# Altium PCB ESP32_Demo.PcbDoc (part 4 of 7) (continued)
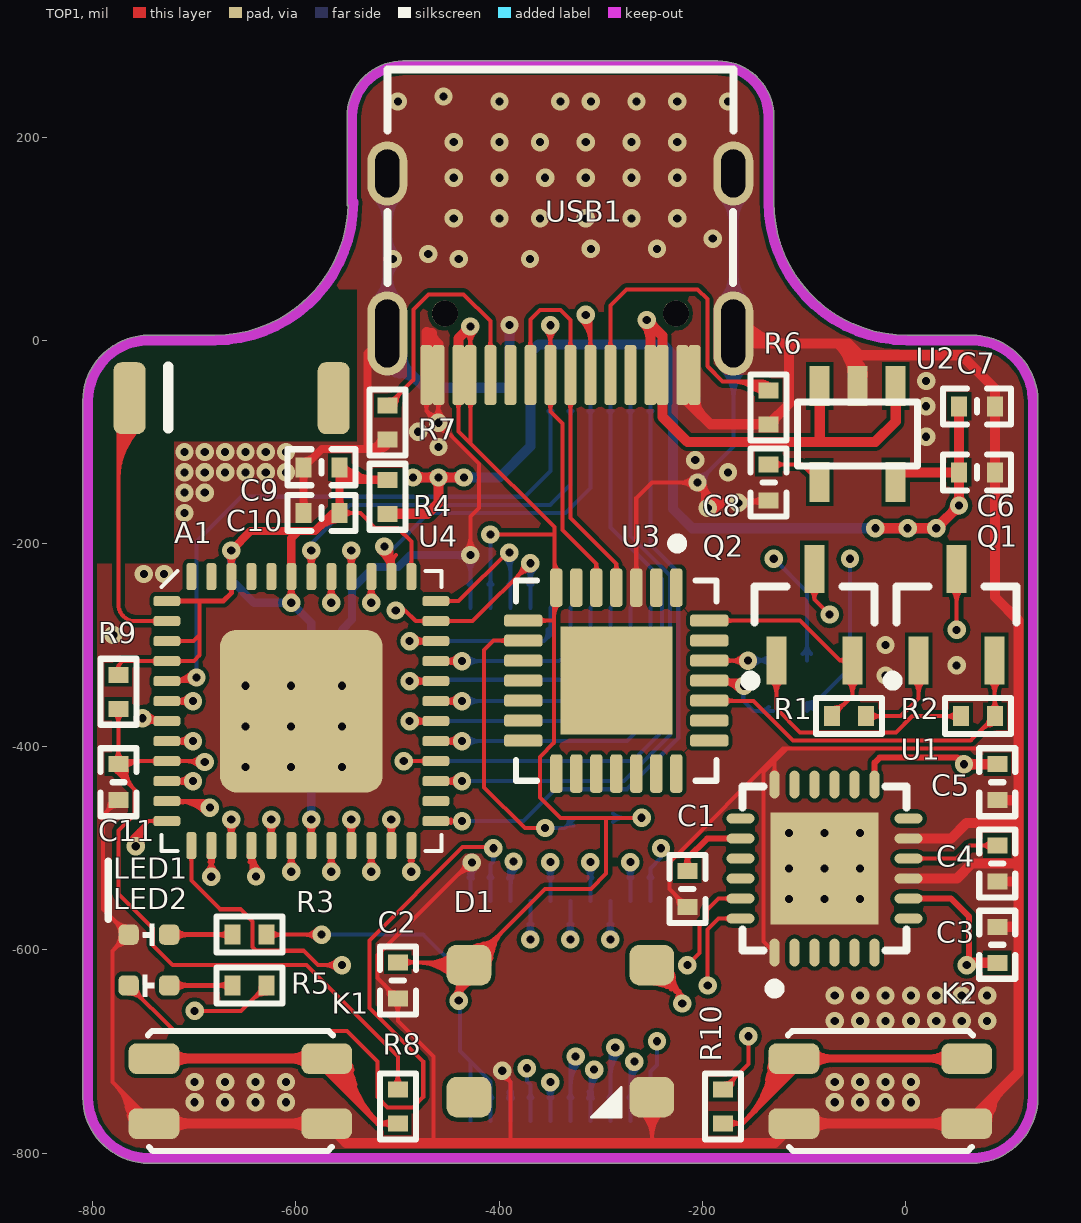
[diagram p0: TOP1 view]
## Nets (pads, with @x,y where several pads share a name; then routed paths per layer and width w, separated by ;. In a path a pad name is that pad's centre, name@x,y a point inside that pad or via, vN(x,y) a via of type N, cw(c..) or ccw(c..) an arc to the next point about the centre after c; other vN are vias at no path point) (continued)
GPIO2: P2.15 U4.22 | length 664.7
  TOP1 w4: v1@-530.82,-518.22 ccw(c-542.77,-506.27) -525.87,-506.27 ccw(c-508.98,-506.27) v1@-520.92,-518.22 ; U4.22@-527.94,-507.81 cw(c-532.93,-512.8) -525.87,-512.8 cw(c-518.82,-512.8) U4.22@-523.81,-507.81 ; -527.49,-512.28 cw(c-521.12,-513.99) U4.22@-524.41,-508.28 ; v1(-525.87,-523.17) U4.22@-525.87,-497.38 ; -524.26,-512.28 ccw(c-530.63,-513.99) U4.22@-527.34,-508.28 ; U4.22@-527.34,-508.28 cw(c-530.1,-513.06) -524.76,-511.63 ; U4.22@-527.34,-508.28 cw(c-530.1,-513.06) -524.76,-511.63 ; U4.22@-527.34,-508.28 cw(c-530.1,-513.06) -524.76,-511.63 ; U4.22@-527.34,-508.28 cw(c-530.1,-513.06) -524.76,-511.63 ; U4.22@-527.34,-508.28 cw(c-530.1,-513.06) -524.76,-511.63 ; U4.22@-527.34,-508.28 cw(c-530.1,-513.06) -524.76,-511.63 ; U4.22@-527.34,-508.28 cw(c-530.1,-513.06) -524.76,-511.63 ; U4.22@-527.34,-508.28 cw(c-530.1,-513.06) -524.76,-511.63 ; U4.22@-527.34,-508.28 cw(c-530.1,-513.06) -524.76,-511.63 ; -526.99,-511.63 cw(c-521.65,-513.06) U4.22@-524.41,-508.28 ; -526.99,-511.63 cw(c-521.65,-513.06) U4.22@-524.41,-508.28 ; -526.99,-511.63 cw(c-521.65,-513.06) U4.22@-524.41,-508.28 ; -526.99,-511.63 cw(c-521.65,-513.06) U4.22@-524.41,-508.28 ; -526.99,-511.63 cw(c-521.65,-513.06) U4.22@-524.41,-508.28 ; -526.99,-511.63 cw(c-521.65,-513.06) U4.22@-524.41,-508.28 ; -526.99,-511.63 cw(c-521.65,-513.06) U4.22@-524.41,-508.28 ; -526.99,-511.63 cw(c-521.65,-513.06) U4.22@-524.41,-508.28 ; -526.99,-511.63 cw(c-521.65,-513.06) U4.22@-524.41,-508.28
  MidLayer3 w4: v1@-525.87,-530.17 cw(c-525.87,-547.07) -513.92,-535.12 cw(c-501.98,-523.17) v1@-518.87,-523.17 ; v1(-525.87,-523.17) -488.04,-561 -448,-561 -404,-605 -359.77,-605 -349.61,-594.84 v1(-349.61,-513.64) ; v1@-354.56,-518.59 cw(c-366.51,-530.54) -349.61,-530.54 cw(c-332.72,-530.54) v1@-344.67,-518.59
  BOTTOM4 w4: v1@-354.56,-518.59 cw(c-366.51,-530.54) -349.61,-530.54 cw(c-332.72,-530.54) v1@-344.67,-518.59 ; P2.15@-351.68,-529 ccw(c-356.67,-524.01) -349.61,-524.01 ccw(c-342.56,-524.01) P2.15@-347.55,-529 ; -351.23,-524.53 ccw(c-344.86,-522.82) P2.15@-348.15,-528.53 ; P2.15@-349.61,-551.73 v1(-349.61,-513.64) ; -348,-524.53 cw(c-354.37,-522.82) P2.15@-351.08,-528.53 ; P2.15@-351.08,-528.53 ccw(c-353.84,-523.75) -348.5,-525.18 ; P2.15@-351.08,-528.53 ccw(c-353.84,-523.75) -348.5,-525.18 ; P2.15@-351.08,-528.53 ccw(c-353.84,-523.75) -348.5,-525.18 ; P2.15@-351.08,-528.53 ccw(c-353.84,-523.75) -348.5,-525.18 ; P2.15@-351.08,-528.53 ccw(c-353.84,-523.75) -348.5,-525.18 ; P2.15@-351.08,-528.53 ccw(c-353.84,-523.75) -348.5,-525.18 ; P2.15@-351.08,-528.53 ccw(c-353.84,-523.75) -348.5,-525.18 ; P2.15@-351.08,-528.53 ccw(c-353.84,-523.75) -348.5,-525.18 ; P2.15@-351.08,-528.53 ccw(c-353.84,-523.75) -348.5,-525.18 ; -350.73,-525.18 ccw(c-345.39,-523.75) P2.15@-348.15,-528.53 ; -350.73,-525.18 ccw(c-345.39,-523.75) P2.15@-348.15,-528.53 ; -350.73,-525.18 ccw(c-345.39,-523.75) P2.15@-348.15,-528.53 ; -350.73,-525.18 ccw(c-345.39,-523.75) P2.15@-348.15,-528.53 ; -350.73,-525.18 ccw(c-345.39,-523.75) P2.15@-348.15,-528.53 ; -350.73,-525.18 ccw(c-345.39,-523.75) P2.15@-348.15,-528.53 ; -350.73,-525.18 ccw(c-345.39,-523.75) P2.15@-348.15,-528.53 ; -350.73,-525.18 ccw(c-345.39,-523.75) P2.15@-348.15,-528.53 ; -350.73,-525.18 ccw(c-345.39,-523.75) P2.15@-348.15,-528.53
GPIO4: P2.13 U4.24 | length 570.8
  TOP1 w4: U4.24@-488.57,-507.81 cw(c-493.56,-512.8) -486.5,-512.8 cw(c-479.45,-512.8) U4.24@-484.44,-507.81 ; -488.12,-512.28 cw(c-481.75,-513.99) U4.24@-485.04,-508.28 ; v1(-486.5,-523.17) U4.24@-486.5,-497.38 ; -484.89,-512.28 ccw(c-491.26,-513.99) U4.24@-487.97,-508.28 ; U4.24@-487.97,-508.28 cw(c-490.73,-513.06) -485.39,-511.63 ; U4.24@-487.97,-508.28 cw(c-490.73,-513.06) -485.39,-511.63 ; U4.24@-487.97,-508.28 cw(c-490.73,-513.06) -485.39,-511.63 ; U4.24@-487.97,-508.28 cw(c-490.73,-513.06) -485.39,-511.63 ; U4.24@-487.97,-508.28 cw(c-490.73,-513.06) -485.39,-511.63 ; U4.24@-487.97,-508.28 cw(c-490.73,-513.06) -485.39,-511.63 ; U4.24@-487.97,-508.28 cw(c-490.73,-513.06) -485.39,-511.63 ; U4.24@-487.97,-508.28 cw(c-490.73,-513.06) -485.39,-511.63 ; U4.24@-487.97,-508.28 cw(c-490.73,-513.06) -485.39,-511.63 ; -487.62,-511.63 cw(c-482.28,-513.06) U4.24@-485.04,-508.28 ; -487.62,-511.63 cw(c-482.28,-513.06) U4.24@-485.04,-508.28 ; -487.62,-511.63 cw(c-482.28,-513.06) U4.24@-485.04,-508.28 ; -487.62,-511.63 cw(c-482.28,-513.06) U4.24@-485.04,-508.28 ; -487.62,-511.63 cw(c-482.28,-513.06) U4.24@-485.04,-508.28 ; -487.62,-511.63 cw(c-482.28,-513.06) U4.24@-485.04,-508.28 ; -487.62,-511.63 cw(c-482.28,-513.06) U4.24@-485.04,-508.28 ; -487.62,-511.63 cw(c-482.28,-513.06) U4.24@-485.04,-508.28 ; -487.62,-511.63 cw(c-482.28,-513.06) U4.24@-485.04,-508.28
  MidLayer3 w4: v1(-486.5,-523.17) -465.67,-544 -419.34,-544 -388.34,-513 v1(-386,-513) ; -401.95,-526.61 cw(c-386,-542.56) v1@-386,-520 ; -396.29,-520.95 ccw(c-404.24,-513) v1@-393,-513 ; -395.12,-519.78 cw(c-386,-528.9) v1@-386,-516
  BOTTOM4 w4: v1@-390.95,-517.95 cw(c-395.69,-522.69) -388.98,-522.69 ; P2.13@-388.98,-551.73 -388.98,-513.64 -388.34,-513 v1(-386,-513) ; P2.13@-388.98,-537.11 cw(c-361.89,-537.11) v1@-381.05,-517.95 ; P2.13@-388.98,-527.45 cw(c-371.55,-527.45) v1@-383.88,-515.12 ; P2.13@-391.51,-529.6 ccw(c-398.95,-525.31) -390.66,-523.09 ; P2.13@-391.51,-529.6 ccw(c-398.95,-525.31) -390.66,-523.09 ; P2.13@-391.51,-529.6 ccw(c-398.95,-525.31) -390.66,-523.09 ; P2.13@-391.51,-529.6 ccw(c-398.95,-525.31) -390.66,-523.09 ; P2.13@-391.51,-529.6 ccw(c-398.95,-525.31) -390.66,-523.09 ; P2.13@-391.51,-529.6 ccw(c-398.95,-525.31) -390.66,-523.09 ; P2.13@-391.51,-529.6 ccw(c-398.95,-525.31) -390.66,-523.09 ; P2.13@-391.51,-529.6 ccw(c-398.95,-525.31) -390.66,-523.09 ; P2.13@-391.51,-529.6 ccw(c-398.95,-525.31) -390.66,-523.09 ; P2.13@-391.05,-529 ccw(c-396.04,-524.01) -388.98,-524.01 ; P2.13@-391.05,-529 ccw(c-396.04,-524.01) -388.98,-524.01 ; P2.13@-391.05,-529 ccw(c-396.04,-524.01) -388.98,-524.01 ; P2.13@-391.05,-529 ccw(c-396.04,-524.01) -388.98,-524.01 ; P2.13@-391.05,-529 ccw(c-396.04,-524.01) -388.98,-524.01 ; P2.13@-391.05,-529 ccw(c-396.04,-524.01) -388.98,-524.01 ; P2.13@-390.45,-528.53 ccw(c-393.21,-523.75) -387.87,-525.18 ; P2.13@-390.45,-528.53 ccw(c-393.21,-523.75) -387.87,-525.18 ; P2.13@-390.45,-528.53 ccw(c-393.21,-523.75) -387.87,-525.18 ; P2.13@-390.45,-528.53 ccw(c-393.21,-523.75) -387.87,-525.18 ; P2.13@-390.45,-528.53 ccw(c-393.21,-523.75) -387.87,-525.18 ; P2.13@-390.45,-528.53 ccw(c-393.21,-523.75) -387.87,-525.18 ; P2.13@-390.45,-528.53 ccw(c-393.21,-523.75) -387.87,-525.18 ; P2.13@-390.45,-528.53 ccw(c-393.21,-523.75) -387.87,-525.18 ; P2.13@-390.45,-528.53 ccw(c-393.21,-523.75) -387.87,-525.18 ; -390.1,-525.18 ccw(c-384.76,-523.75) P2.13@-387.52,-528.53 ; -390.1,-525.18 ccw(c-384.76,-523.75) P2.13@-387.52,-528.53 ; -390.1,-525.18 ccw(c-384.76,-523.75) P2.13@-387.52,-528.53 ; -390.1,-525.18 ccw(c-384.76,-523.75) P2.13@-387.52,-528.53 ; -390.1,-525.18 ccw(c-384.76,-523.75) P2.13@-387.52,-528.53 ; -390.1,-525.18 ccw(c-384.76,-523.75) P2.13@-387.52,-528.53 ; -390.1,-525.18 ccw(c-384.76,-523.75) P2.13@-387.52,-528.53 ; -390.1,-525.18 ccw(c-384.76,-523.75) P2.13@-387.52,-528.53 ; -390.1,-525.18 ccw(c-384.76,-523.75) P2.13@-387.52,-528.53 ; -388.98,-524.01 ccw(c-381.93,-524.01) P2.13@-386.92,-529 ; -388.98,-524.01 ccw(c-381.93,-524.01) P2.13@-386.92,-529 ; -388.98,-524.01 ccw(c-381.93,-524.01) P2.13@-386.92,-529 ; -388.98,-524.01 ccw(c-381.93,-524.01) P2.13@-386.92,-529 ; -388.98,-524.01 ccw(c-381.93,-524.01) P2.13@-386.92,-529 ; -388.98,-524.01 ccw(c-381.93,-524.01) P2.13@-386.92,-529
GPIO5: P1.6 U4.34 | length 574.4
  TOP1 w4: v1(-488.18,-296.1) U4.34@-462.39,-296.1 ; v1@-483.23,-301.05 cw(c-471.28,-313) -471.28,-296.1 cw(c-471.28,-279.2) v1@-483.23,-291.15 ; -477.29,-297.71 ccw(c-478.99,-291.35) U4.34@-473.29,-294.64 ; -477.29,-294.49 cw(c-478.99,-300.86) U4.34@-473.29,-297.56 ; U4.34@-472.82,-298.17 ccw(c-477.81,-303.15) -477.81,-296.1 ccw(c-477.81,-289.05) U4.34@-472.82,-294.04 ; -476.64,-297.22 ccw(c-478.07,-291.88) U4.34@-473.29,-294.64 ; -476.64,-297.22 ccw(c-478.07,-291.88) U4.34@-473.29,-294.64 ; -476.64,-297.22 ccw(c-478.07,-291.88) U4.34@-473.29,-294.64 ; -476.64,-297.22 ccw(c-478.07,-291.88) U4.34@-473.29,-294.64 ; -476.64,-297.22 ccw(c-478.07,-291.88) U4.34@-473.29,-294.64 ; -476.64,-297.22 ccw(c-478.07,-291.88) U4.34@-473.29,-294.64 ; -476.64,-297.22 ccw(c-478.07,-291.88) U4.34@-473.29,-294.64 ; -476.64,-297.22 ccw(c-478.07,-291.88) U4.34@-473.29,-294.64 ; -476.64,-297.22 ccw(c-478.07,-291.88) U4.34@-473.29,-294.64 ; -476.64,-294.99 cw(c-478.07,-300.33) U4.34@-473.29,-297.56 ; -476.64,-294.99 cw(c-478.07,-300.33) U4.34@-473.29,-297.56 ; -476.64,-294.99 cw(c-478.07,-300.33) U4.34@-473.29,-297.56 ; -476.64,-294.99 cw(c-478.07,-300.33) U4.34@-473.29,-297.56 ; -476.64,-294.99 cw(c-478.07,-300.33) U4.34@-473.29,-297.56 ; -476.64,-294.99 cw(c-478.07,-300.33) U4.34@-473.29,-297.56 ; -476.64,-294.99 cw(c-478.07,-300.33) U4.34@-473.29,-297.56 ; -476.64,-294.99 cw(c-478.07,-300.33) U4.34@-473.29,-297.56 ; -476.64,-294.99 cw(c-478.07,-300.33) U4.34@-473.29,-297.56
  BOTTOM4 w4: v1(-488.18,-296.1) -355.87,-296.1 ; P1.6@-349.61,-263.27 -349.61,-289.84 ; -355.87,-296.1 ccw(c-364.77,-287.2) P1.6@-352.47,-284.55 ; -355.87,-296.1 ccw(c-364.77,-287.2) P1.6@-352.47,-284.55 ; -355.87,-296.1 ccw(c-364.77,-287.2) P1.6@-352.47,-284.55 ; -355.87,-296.1 ccw(c-364.77,-287.2) P1.6@-352.47,-284.55 ; -355.87,-296.1 ccw(c-364.77,-287.2) P1.6@-352.47,-284.55 ; -355.87,-296.1 ccw(c-364.77,-287.2) P1.6@-352.47,-284.55 ; -355.87,-296.1 -349.61,-289.84 ; P1.6@-352.64,-288 cw(c-345.62,-288.35) P1.6@-350.34,-283.14 ; P1.6@-352.64,-288 cw(c-345.62,-288.35) P1.6@-350.34,-283.14 ; P1.6@-352.64,-288 cw(c-345.62,-288.35) P1.6@-350.34,-283.14 ; P1.6@-352.64,-288 cw(c-345.62,-288.35) P1.6@-350.34,-283.14 ; P1.6@-352.64,-288 cw(c-345.62,-288.35) P1.6@-350.34,-283.14 ; P1.6@-352.64,-288 cw(c-345.62,-288.35) P1.6@-350.34,-283.14 ; P1.6@-352.64,-288 cw(c-345.62,-288.35) P1.6@-350.34,-283.14 ; P1.6@-352.64,-288 cw(c-345.62,-288.35) P1.6@-350.34,-283.14 ; P1.6@-352.64,-288 cw(c-345.62,-288.35) P1.6@-350.34,-283.14 ; P1.6@-352.64,-288 cw(c-345.62,-288.35) P1.6@-350.34,-283.14 ; P1.6@-352.64,-288 cw(c-345.62,-288.35) P1.6@-350.34,-283.14 ; P1.6@-352.64,-288 cw(c-345.62,-288.35) P1.6@-350.34,-283.14 ; P1.6@-352.64,-288 cw(c-345.62,-288.35) P1.6@-350.34,-283.14 ; P1.6@-352.64,-288 cw(c-345.62,-288.35) P1.6@-350.34,-283.14 ; P1.6@-352.64,-288 cw(c-345.62,-288.35) P1.6@-350.34,-283.14 ; P1.6@-351.39,-286.26 cw(c-354.12,-289.84) -349.61,-289.84 ; P1.6@-351.39,-286.26 cw(c-354.12,-289.84) -349.61,-289.84 ; P1.6@-351.39,-286.26 cw(c-354.12,-289.84) -349.61,-289.84 ; P1.6@-351.39,-286.26 cw(c-354.12,-289.84) -349.61,-289.84 ; P1.6@-351.39,-286.26 cw(c-354.12,-289.84) -349.61,-289.84 ; P1.6@-351.39,-286.26 cw(c-354.12,-289.84) -349.61,-289.84 ; -350.68,-290.91 ccw(c-356.23,-285.36) P1.6@-348.56,-283.71 ; -350.68,-290.91 ccw(c-356.23,-285.36) P1.6@-348.56,-283.71 ; -350.68,-290.91 ccw(c-356.23,-285.36) P1.6@-348.56,-283.71 ; -350.68,-290.91 ccw(c-356.23,-285.36) P1.6@-348.56,-283.71 ; -350.68,-290.91 ccw(c-356.23,-285.36) P1.6@-348.56,-283.71 ; -350.68,-290.91 ccw(c-356.23,-285.36) P1.6@-348.56,-283.71 ; -349.61,-289.84 cw(c-345.11,-289.84) P1.6@-347.84,-286.26 ; -349.61,-289.84 cw(c-345.11,-289.84) P1.6@-347.84,-286.26 ; -349.61,-289.84 cw(c-345.11,-289.84) P1.6@-347.84,-286.26 ; -349.61,-289.84 cw(c-345.11,-289.84) P1.6@-347.84,-286.26 ; -349.61,-289.84 cw(c-345.11,-289.84) P1.6@-347.84,-286.26 ; -349.61,-289.84 cw(c-345.11,-289.84) P1.6@-347.84,-286.26
GPIO9: P1.18 U4.28 | length 790.1
  TOP1 w4: v1(-493.98,-414.21) U4.28@-462.39,-414.21 ; -477.81,-414.21 cw(c-477.81,-421.26) U4.28@-472.82,-416.28 ; -477.81,-414.21 ccw(c-477.81,-407.16) U4.28@-472.82,-412.15 ; -477.81,-414.21 cw(c-477.81,-421.26) U4.28@-472.82,-416.28 ; -477.81,-414.21 ccw(c-477.81,-407.16) U4.28@-472.82,-412.15 ; -477.81,-414.21 cw(c-477.81,-421.26) U4.28@-472.82,-416.28 ; -477.81,-414.21 ccw(c-477.81,-407.16) U4.28@-472.82,-412.15 ; -477.81,-414.21 cw(c-477.81,-421.26) U4.28@-472.82,-416.28 ; -477.81,-414.21 ccw(c-477.81,-407.16) U4.28@-472.82,-412.15 ; -477.81,-414.21 cw(c-477.81,-421.26) U4.28@-472.82,-416.28 ; -477.81,-414.21 ccw(c-477.81,-407.16) U4.28@-472.82,-412.15 ; -477.81,-414.21 ccw(c-477.81,-407.16) U4.28@-472.82,-412.15 ; -477.81,-414.21 cw(c-477.81,-421.26) U4.28@-472.82,-416.28
  BOTTOM4 w4: v1(-493.98,-414.21) -268.98,-414.21 -239.77,-385 -239.77,-235 -290.56,-184.21 P1.18@-290.56,-46.73 ; P1.18@-292.63,-69.47 cw(c-297.61,-74.45) -290.56,-74.45 ; P1.18@-292.63,-69.47 cw(c-297.61,-74.45) -290.56,-74.45 ; P1.18@-292.63,-69.47 cw(c-297.61,-74.45) -290.56,-74.45 ; P1.18@-292.63,-69.47 cw(c-297.61,-74.45) -290.56,-74.45 ; P1.18@-292.63,-69.47 cw(c-297.61,-74.45) -290.56,-74.45 ; P1.18@-292.63,-69.47 cw(c-297.61,-74.45) -290.56,-74.45 ; -290.56,-74.45 cw(c-283.51,-74.45) P1.18@-288.49,-69.47 ; -290.56,-74.45 cw(c-283.51,-74.45) P1.18@-288.49,-69.47 ; -290.56,-74.45 cw(c-283.51,-74.45) P1.18@-288.49,-69.47 ; -290.56,-74.45 cw(c-283.51,-74.45) P1.18@-288.49,-69.47 ; -290.56,-74.45 cw(c-283.51,-74.45) P1.18@-288.49,-69.47 ; -290.56,-74.45 cw(c-283.51,-74.45) P1.18@-288.49,-69.47
GPIO10: P1.1 U4.29 | length 548
  TOP1 w4: U4.29@-462.39,-394.53 v1(-436.6,-394.53) ; U4.29@-451.96,-396.59 cw(c-446.97,-401.58) -446.97,-394.53 cw(c-446.97,-387.48) U4.29@-451.96,-392.46 ; -447.49,-396.14 cw(c-445.79,-389.77) U4.29@-451.49,-393.07 ; -447.49,-392.92 ccw(c-445.79,-399.28) U4.29@-451.49,-395.99 ; v1@-441.55,-399.48 ccw(c-453.5,-411.43) -453.5,-394.53 ccw(c-453.5,-377.63) v1@-441.55,-389.58 ; U4.29@-451.49,-395.99 cw(c-446.71,-398.75) -448.14,-393.41 ; U4.29@-451.49,-395.99 cw(c-446.71,-398.75) -448.14,-393.41 ; U4.29@-451.49,-395.99 cw(c-446.71,-398.75) -448.14,-393.41 ; U4.29@-451.49,-395.99 cw(c-446.71,-398.75) -448.14,-393.41 ; U4.29@-451.49,-395.99 cw(c-446.71,-398.75) -448.14,-393.41 ; U4.29@-451.49,-395.99 cw(c-446.71,-398.75) -448.14,-393.41 ; U4.29@-451.49,-395.99 cw(c-446.71,-398.75) -448.14,-393.41 ; U4.29@-451.49,-395.99 cw(c-446.71,-398.75) -448.14,-393.41 ; U4.29@-451.49,-395.99 cw(c-446.71,-398.75) -448.14,-393.41 ; U4.29@-451.49,-393.07 ccw(c-446.71,-390.3) -448.14,-395.64 ; U4.29@-451.49,-393.07 ccw(c-446.71,-390.3) -448.14,-395.64 ; U4.29@-451.49,-393.07 ccw(c-446.71,-390.3) -448.14,-395.64 ; U4.29@-451.49,-393.07 ccw(c-446.71,-390.3) -448.14,-395.64 ; U4.29@-451.49,-393.07 ccw(c-446.71,-390.3) -448.14,-395.64 ; U4.29@-451.49,-393.07 ccw(c-446.71,-390.3) -448.14,-395.64 ; U4.29@-451.49,-393.07 ccw(c-446.71,-390.3) -448.14,-395.64 ; U4.29@-451.49,-393.07 ccw(c-446.71,-390.3) -448.14,-395.64 ; U4.29@-451.49,-393.07 ccw(c-446.71,-390.3) -448.14,-395.64
  BOTTOM4 w4: v1(-436.6,-394.53) -274.3,-394.53 -251.19,-371.42 P1.1@-251.19,-263.27 ; v1@-431.65,-399.48 cw(c-419.7,-411.43) -419.7,-394.53 cw(c-419.7,-377.63) v1@-431.65,-389.58 ; P1.1@-253.26,-286 cw(c-258.24,-290.99) -251.19,-290.99 ; P1.1@-253.26,-286 cw(c-258.24,-290.99) -251.19,-290.99 ; P1.1@-253.26,-286 cw(c-258.24,-290.99) -251.19,-290.99 ; P1.1@-253.26,-286 cw(c-258.24,-290.99) -251.19,-290.99 ; P1.1@-253.26,-286 cw(c-258.24,-290.99) -251.19,-290.99 ; P1.1@-253.26,-286 cw(c-258.24,-290.99) -251.19,-290.99 ; -251.19,-290.99 cw(c-244.14,-290.99) P1.1@-249.12,-286 ; -251.19,-290.99 cw(c-244.14,-290.99) P1.1@-249.12,-286 ; -251.19,-290.99 cw(c-244.14,-290.99) P1.1@-249.12,-286 ; -251.19,-290.99 cw(c-244.14,-290.99) P1.1@-249.12,-286 ; -251.19,-290.99 cw(c-244.14,-290.99) P1.1@-249.12,-286 ; -251.19,-290.99 cw(c-244.14,-290.99) P1.1@-249.12,-286
GPIO12: P2.18 U4.18 | length 716.7
  TOP1 w4: v1@-609.56,-518.22 ccw(c-621.51,-506.27) -604.61,-506.27 ccw(c-587.72,-506.27) v1@-599.67,-518.22 ; U4.18@-606.68,-507.81 cw(c-611.67,-512.8) -604.61,-512.8 cw(c-597.56,-512.8) U4.18@-602.55,-507.81 ; -606.23,-512.28 cw(c-599.86,-513.99) U4.18@-603.15,-508.28 ; v1(-604.61,-523.17) U4.18@-604.61,-497.38 ; -603,-512.28 ccw(c-609.37,-513.99) U4.18@-606.08,-508.28 ; U4.18@-606.08,-508.28 cw(c-608.84,-513.06) -603.5,-511.63 ; U4.18@-606.08,-508.28 cw(c-608.84,-513.06) -603.5,-511.63 ; U4.18@-606.08,-508.28 cw(c-608.84,-513.06) -603.5,-511.63 ; U4.18@-606.08,-508.28 cw(c-608.84,-513.06) -603.5,-511.63 ; U4.18@-606.08,-508.28 cw(c-608.84,-513.06) -603.5,-511.63 ; U4.18@-606.08,-508.28 cw(c-608.84,-513.06) -603.5,-511.63 ; U4.18@-606.08,-508.28 cw(c-608.84,-513.06) -603.5,-511.63 ; U4.18@-606.08,-508.28 cw(c-608.84,-513.06) -603.5,-511.63 ; U4.18@-606.08,-508.28 cw(c-608.84,-513.06) -603.5,-511.63 ; -605.73,-511.63 cw(c-600.39,-513.06) U4.18@-603.15,-508.28 ; -605.73,-511.63 cw(c-600.39,-513.06) U4.18@-603.15,-508.28 ; -605.73,-511.63 cw(c-600.39,-513.06) U4.18@-603.15,-508.28 ; -605.73,-511.63 cw(c-600.39,-513.06) U4.18@-603.15,-508.28 ; -605.73,-511.63 cw(c-600.39,-513.06) U4.18@-603.15,-508.28 ; -605.73,-511.63 cw(c-600.39,-513.06) U4.18@-603.15,-508.28 ; -605.73,-511.63 cw(c-600.39,-513.06) U4.18@-603.15,-508.28 ; -605.73,-511.63 cw(c-600.39,-513.06) U4.18@-603.15,-508.28 ; -605.73,-511.63 cw(c-600.39,-513.06) U4.18@-603.15,-508.28
  MidLayer3 w4: v1(-604.61,-523.17) -577.78,-550 -549.73,-550 -514.73,-585 -459.63,-585 -415.63,-629 -329.74,-629 v1(-290.56,-589.82) ; v1@-297.56,-589.82 cw(c-314.46,-589.82) -302.51,-601.77 cw(c-290.56,-613.72) v1@-290.56,-596.82
  BOTTOM4 w4: v1@-295.51,-584.87 ccw(c-307.46,-572.92) -290.56,-572.92 ccw(c-273.66,-572.92) v1@-285.61,-584.87 ; P2.18@-292.63,-574.47 cw(c-297.61,-579.45) -290.56,-579.45 cw(c-283.51,-579.45) P2.18@-288.49,-574.47 ; -292.17,-578.93 cw(c-285.8,-580.64) P2.18@-289.1,-574.93 ; v1(-290.56,-589.82) P2.18@-290.56,-551.73 ; -288.95,-578.93 ccw(c-295.32,-580.64) P2.18@-292.02,-574.93 ; P2.18@-292.02,-574.93 cw(c-294.78,-579.72) -289.45,-578.29 ; P2.18@-292.02,-574.93 cw(c-294.78,-579.72) -289.45,-578.29 ; P2.18@-292.02,-574.93 cw(c-294.78,-579.72) -289.45,-578.29 ; P2.18@-292.02,-574.93 cw(c-294.78,-579.72) -289.45,-578.29 ; P2.18@-292.02,-574.93 cw(c-294.78,-579.72) -289.45,-578.29 ; P2.18@-292.02,-574.93 cw(c-294.78,-579.72) -289.45,-578.29 ; P2.18@-292.02,-574.93 cw(c-294.78,-579.72) -289.45,-578.29 ; P2.18@-292.02,-574.93 cw(c-294.78,-579.72) -289.45,-578.29 ; P2.18@-292.02,-574.93 cw(c-294.78,-579.72) -289.45,-578.29 ; -291.67,-578.29 cw(c-286.34,-579.72) P2.18@-289.1,-574.93 ; -291.67,-578.29 cw(c-286.34,-579.72) P2.18@-289.1,-574.93 ; -291.67,-578.29 cw(c-286.34,-579.72) P2.18@-289.1,-574.93 ; -291.67,-578.29 cw(c-286.34,-579.72) P2.18@-289.1,-574.93 ; -291.67,-578.29 cw(c-286.34,-579.72) P2.18@-289.1,-574.93 ; -291.67,-578.29 cw(c-286.34,-579.72) P2.18@-289.1,-574.93 ; -291.67,-578.29 cw(c-286.34,-579.72) P2.18@-289.1,-574.93 ; -291.67,-578.29 cw(c-286.34,-579.72) P2.18@-289.1,-574.93 ; -291.67,-578.29 cw(c-286.34,-579.72) P2.18@-289.1,-574.93
GPIO13: P2.17 R5.1 U4.20 | length 2188.6
  TOP1 w4: v1(-699.77,-660) -654.02,-660 R5.1@-629.02,-635 ; v1@-570.19,-518.22 ccw(c-582.14,-506.27) -565.24,-506.27 ccw(c-548.35,-506.27) v1@-560.29,-518.22 ; U4.20@-567.31,-507.81 cw(c-572.3,-512.8) -565.24,-512.8 cw(c-558.19,-512.8) U4.20@-563.18,-507.81 ; -566.86,-512.28 cw(c-560.49,-513.99) U4.20@-563.78,-508.28 ; v1(-565.24,-523.17) U4.20@-565.24,-497.38 ; -563.63,-512.28 ccw(c-570,-513.99) U4.20@-566.71,-508.28 ; -642.41,-648.38 cw(c-629.02,-661.77) R5.1@-629.02,-642.84 ; -642.41,-648.38 cw(c-629.02,-661.77) R5.1@-629.02,-642.84 ; -642.41,-648.38 cw(c-629.02,-661.77) R5.1@-629.02,-642.84 ; -642.41,-648.38 cw(c-629.02,-661.77) R5.1@-629.02,-642.84 ; -642.41,-648.38 cw(c-629.02,-661.77) R5.1@-629.02,-642.84 ; -642.41,-648.38 cw(c-629.02,-661.77) R5.1@-629.02,-642.84 ; -637.66,-643.63 ccw(c-644.32,-636.97) R5.1@-634.9,-636.97 ; -637.66,-643.63 ccw(c-644.32,-636.97) R5.1@-634.9,-636.97 ; -637.66,-643.63 ccw(c-644.32,-636.97) R5.1@-634.9,-636.97 ; -637.66,-643.63 ccw(c-644.32,-636.97) R5.1@-634.9,-636.97 ; -637.66,-643.63 ccw(c-644.32,-636.97) R5.1@-634.9,-636.97 ; -637.66,-643.63 ccw(c-644.32,-636.97) R5.1@-634.9,-636.97 ; R5.1@-635.58,-641.56 cw(c-629.02,-648.12) R5.1@-629.02,-638.84 ; R5.1@-635.58,-641.56 cw(c-629.02,-648.12) R5.1@-629.02,-638.84 ; R5.1@-635.58,-641.56 cw(c-629.02,-648.12) R5.1@-629.02,-638.84 ; R5.1@-635.58,-641.56 cw(c-629.02,-648.12) R5.1@-629.02,-638.84 ; R5.1@-635.58,-641.56 cw(c-629.02,-648.12) R5.1@-629.02,-638.84 ; R5.1@-635.58,-641.56 cw(c-629.02,-648.12) R5.1@-629.02,-638.84 ; R5.1@-633.83,-644.13 ccw(c-636.38,-634.61) R5.1@-627,-637.61 ; R5.1@-633.83,-644.13 ccw(c-636.38,-634.61) R5.1@-627,-637.61 ; R5.1@-633.83,-644.13 ccw(c-636.38,-634.61) R5.1@-627,-637.61 ; R5.1@-633.83,-644.13 ccw(c-636.38,-634.61) R5.1@-627,-637.61 ; R5.1@-633.83,-644.13 ccw(c-636.38,-634.61) R5.1@-627,-637.61 ; R5.1@-633.83,-644.13 ccw(c-636.38,-634.61) R5.1@-627,-637.61 ; R5.1@-633.83,-644.13 ccw(c-636.38,-634.61) R5.1@-627,-637.61 ; R5.1@-633.83,-644.13 ccw(c-636.38,-634.61) R5.1@-627,-637.61 ; R5.1@-633.83,-644.13 ccw(c-636.38,-634.61) R5.1@-627,-637.61 ; R5.1@-633.83,-644.13 ccw(c-636.38,-634.61) R5.1@-627,-637.61 ; R5.1@-633.83,-644.13 ccw(c-636.38,-634.61) R5.1@-627,-637.61 ; R5.1@-633.83,-644.13 ccw(c-636.38,-634.61) R5.1@-627,-637.61 ; R5.1@-633.83,-644.13 ccw(c-636.38,-634.61) R5.1@-627,-637.61 ; R5.1@-633.83,-644.13 ccw(c-636.38,-634.61) R5.1@-627,-637.61 ; R5.1@-633.83,-644.13 ccw(c-636.38,-634.61) R5.1@-627,-637.61 ; U4.20@-566.71,-508.28 cw(c-569.47,-513.06) -564.13,-511.63 ; U4.20@-566.71,-508.28 cw(c-569.47,-513.06) -564.13,-511.63 ; U4.20@-566.71,-508.28 cw(c-569.47,-513.06) -564.13,-511.63 ; U4.20@-566.71,-508.28 cw(c-569.47,-513.06) -564.13,-511.63 ; U4.20@-566.71,-508.28 cw(c-569.47,-513.06) -564.13,-511.63 ; U4.20@-566.71,-508.28 cw(c-569.47,-513.06) -564.13,-511.63 ; U4.20@-566.71,-508.28 cw(c-569.47,-513.06) -564.13,-511.63 ; U4.20@-566.71,-508.28 cw(c-569.47,-513.06) -564.13,-511.63 ; U4.20@-566.71,-508.28 cw(c-569.47,-513.06) -564.13,-511.63 ; -566.36,-511.63 cw(c-561.02,-513.06) U4.20@-563.78,-508.28 ; -566.36,-511.63 cw(c-561.02,-513.06) U4.20@-563.78,-508.28 ; -566.36,-511.63 cw(c-561.02,-513.06) U4.20@-563.78,-508.28 ; -566.36,-511.63 cw(c-561.02,-513.06) U4.20@-563.78,-508.28 ; -566.36,-511.63 cw(c-561.02,-513.06) U4.20@-563.78,-508.28 ; -566.36,-511.63 cw(c-561.02,-513.06) U4.20@-563.78,-508.28 ; -566.36,-511.63 cw(c-561.02,-513.06) U4.20@-563.78,-508.28 ; -566.36,-511.63 cw(c-561.02,-513.06) U4.20@-563.78,-508.28 ; -566.36,-511.63 cw(c-561.02,-513.06) U4.20@-563.78,-508.28
  MidLayer3 w4: v1(-699.77,-660) -651.09,-660 -547.41,-763.68 -472.66,-763.68 -451.66,-784.68 -253.14,-784.68 -206.77,-738.31 -206.77,-672 -179.77,-645 -179.77,-491.31 -226.09,-445 -284.77,-445 -310.24,-470.47 v1(-310.24,-513.64) -310.24,-595.47 -335.77,-621 -412.31,-621 -456.31,-577 -511.41,-577 v1(-565.24,-523.17) ; v1@-315.19,-518.59 cw(c-327.14,-530.54) -310.24,-530.54 cw(c-293.35,-530.54) v1@-305.3,-518.59 ; v1@-315.19,-508.69 ccw(c-327.14,-496.74) -310.24,-496.74 ccw(c-293.35,-496.74) v1@-305.3,-508.69
  BOTTOM4 w4: v1@-315.19,-518.59 cw(c-327.14,-530.54) -310.24,-530.54 cw(c-293.35,-530.54) v1@-305.3,-518.59 ; P2.17@-312.31,-529 ccw(c-317.3,-524.01) -310.24,-524.01 ccw(c-303.19,-524.01) P2.17@-308.18,-529 ; -311.86,-524.53 ccw(c-305.49,-522.82) P2.17@-308.78,-528.53 ; P2.17@-310.24,-551.73 v1(-310.24,-513.64) ; -308.63,-524.53 cw(c-315,-522.82) P2.17@-311.71,-528.53 ; P2.17@-311.71,-528.53 ccw(c-314.47,-523.75) -309.13,-525.18 ; P2.17@-311.71,-528.53 ccw(c-314.47,-523.75) -309.13,-525.18 ; P2.17@-311.71,-528.53 ccw(c-314.47,-523.75) -309.13,-525.18 ; P2.17@-311.71,-528.53 ccw(c-314.47,-523.75) -309.13,-525.18 ; P2.17@-311.71,-528.53 ccw(c-314.47,-523.75) -309.13,-525.18 ; P2.17@-311.71,-528.53 ccw(c-314.47,-523.75) -309.13,-525.18 ; P2.17@-311.71,-528.53 ccw(c-314.47,-523.75) -309.13,-525.18 ; P2.17@-311.71,-528.53 ccw(c-314.47,-523.75) -309.13,-525.18 ; P2.17@-311.71,-528.53 ccw(c-314.47,-523.75) -309.13,-525.18 ; -311.36,-525.18 ccw(c-306.02,-523.75) P2.17@-308.78,-528.53 ; -311.36,-525.18 ccw(c-306.02,-523.75) P2.17@-308.78,-528.53 ; -311.36,-525.18 ccw(c-306.02,-523.75) P2.17@-308.78,-528.53 ; -311.36,-525.18 ccw(c-306.02,-523.75) P2.17@-308.78,-528.53 ; -311.36,-525.18 ccw(c-306.02,-523.75) P2.17@-308.78,-528.53 ; -311.36,-525.18 ccw(c-306.02,-523.75) P2.17@-308.78,-528.53 ; -311.36,-525.18 ccw(c-306.02,-523.75) P2.17@-308.78,-528.53 ; -311.36,-525.18 ccw(c-306.02,-523.75) P2.17@-308.78,-528.53 ; -311.36,-525.18 ccw(c-306.02,-523.75) P2.17@-308.78,-528.53